# Altium PCB sugar65V2_ARGB_QMK(1).PcbDoc (part 6 of 8)
Units mm, origin at the board's own origin, x right, y up, seen from the top; angles counter-clockwise.
Board outline 416.94 x 174.37 mm, 2 copper layers (Top Layer, Bottom Layer); 304 components, 242 nets, 11102 pads, 1014 vias.
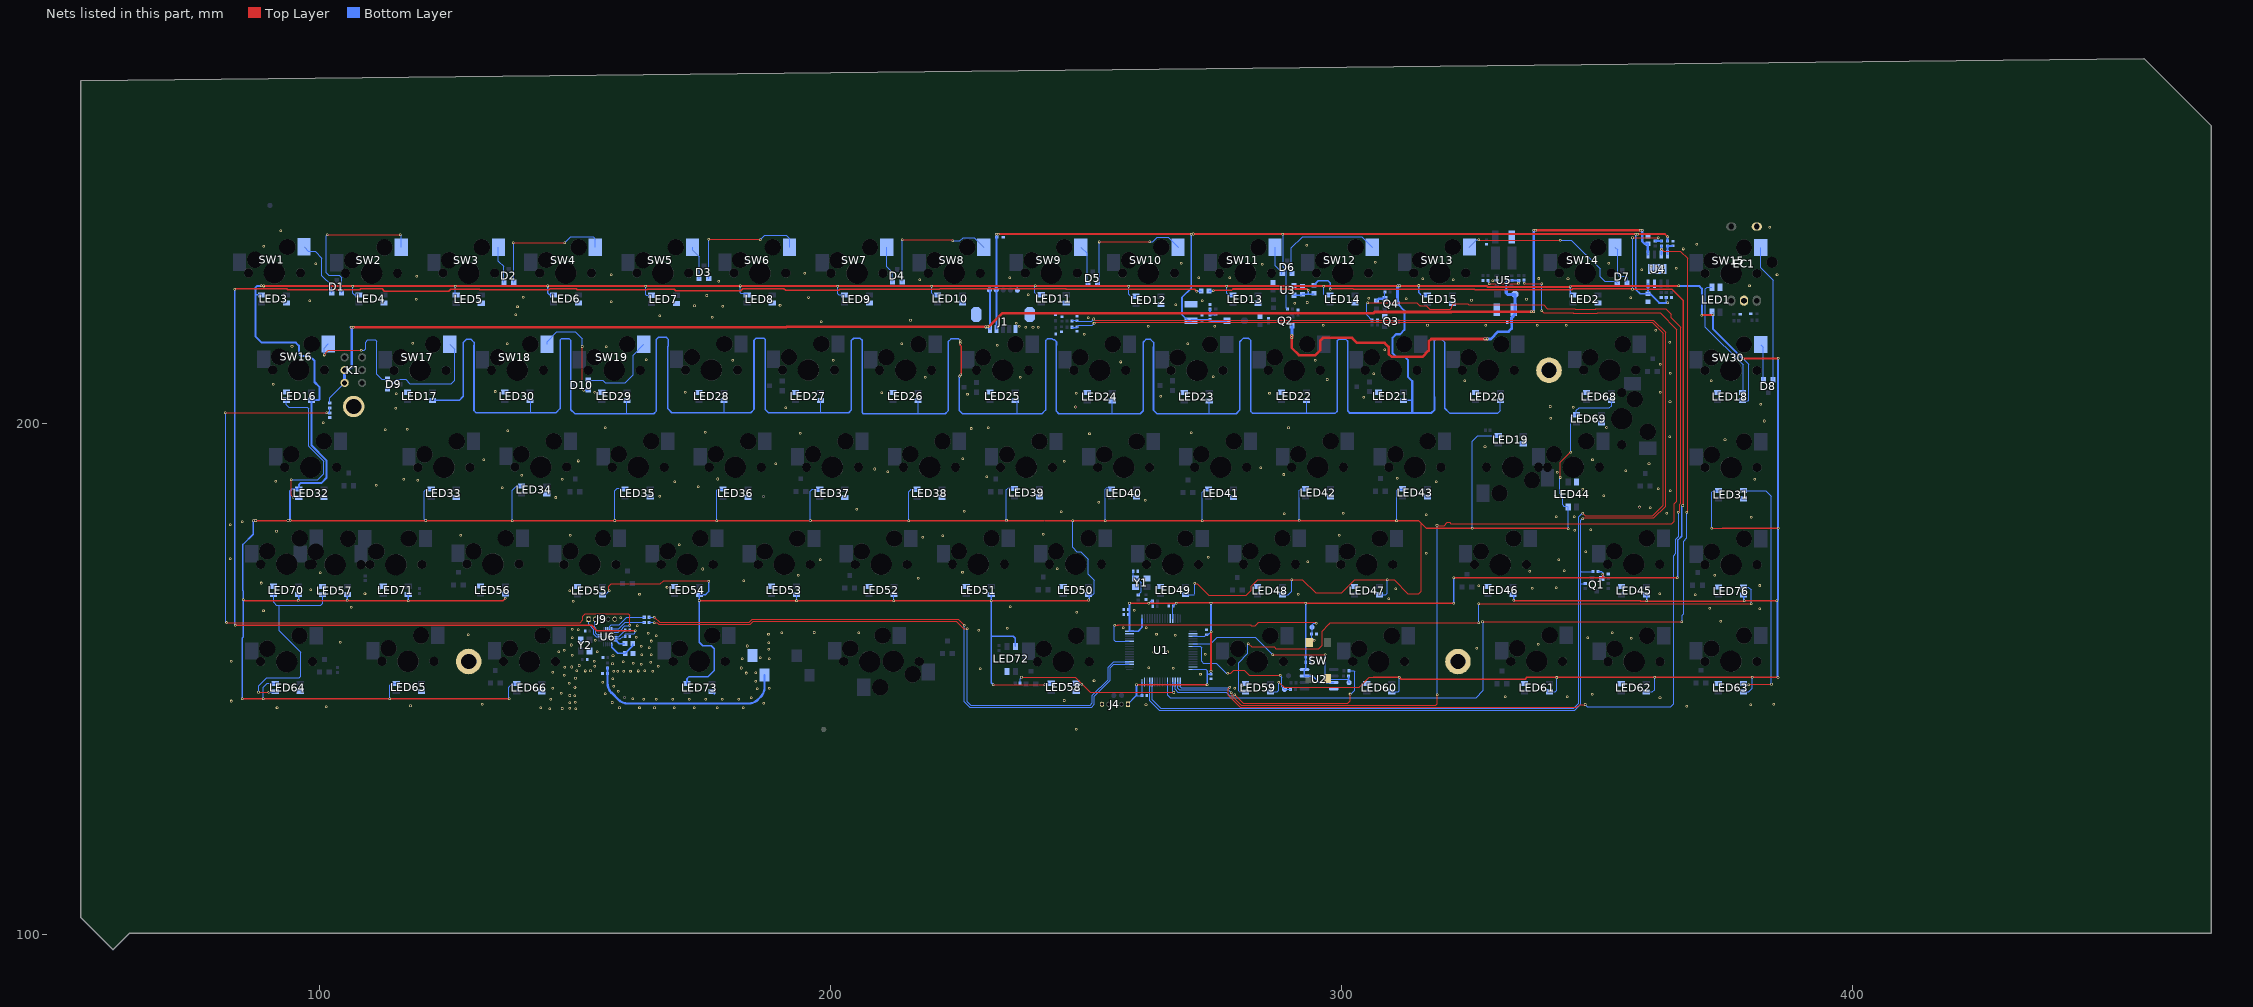
[diagram p6: the nets of this part, all layers, seen from the top]

## Free pads (board coordinates) (continued)
  round 0.13 on Mech4: 1(379.203,233.435) 1(379.203,233.435) 1(379.203,235.405) 1(379.203,235.405) 1(379.433,157.631) 1(379.433,157.631) 1(379.433,159.361) 1(379.433,159.361) 1(379.433,176.555) 1(379.433,176.555) 1(379.433,178.285) 1(379.433,178.285) 1(379.433,195.555) 1(379.433,195.555) 1(379.433,197.285) 1(379.433,197.285) 1(379.433,214.555) 1(379.433,214.555) 1(379.433,216.285) 1(379.433,216.285) 1(379.433,233.555) 1(379.433,233.555) 1(379.433,235.285) 1(379.433,235.285) 1(379.623,157.801) 1(379.623,157.801) 1(379.623,159.191) 1(379.623,159.191) 1(379.623,176.725) 1(379.623,176.725) 1(379.623,178.115) 1(379.623,178.115) 1(379.623,195.725) 1(379.623,195.725) 1(379.623,197.115) 1(379.623,197.115) 1(379.623,214.725) 1(379.623,214.725) 1(379.623,216.115) 1(379.623,216.115) 1(379.623,233.725) 1(379.623,233.725) 1(379.623,235.115) 1(379.623,235.115) 1(379.763,158.011) 1(379.763,158.011) 1(379.763,158.981) 1(379.763,158.981) 1(379.763,176.935) 1(379.763,176.935) 1(379.763,177.905) 1(379.763,177.905) 1(379.763,195.935) 1(379.763,195.935) 1(379.763,196.905) 1(379.763,196.905) 1(379.763,214.935) 1(379.763,214.935) 1(379.763,215.905) 1(379.763,215.905) 1(379.763,233.935) 1(379.763,233.935) 1(379.763,234.905) 1(379.763,234.905) 1(379.853,158.241) 1(379.853,158.241) 1(379.853,158.751) 1(379.853,158.751) 1(379.853,177.165) 1(379.853,177.165) 1(379.853,177.675) 1(379.853,177.675) 1(379.853,196.165) 1(379.853,196.165) 1(379.853,196.675) 1(379.853,196.675) 1(379.853,215.165) 1(379.853,215.165) 1(379.853,215.675) 1(379.853,215.675) 1(379.853,234.165) 1(379.853,234.165) 1(379.853,234.675) 1(379.853,234.675) 1(379.883,158.501) 1(379.883,158.501) 1(379.883,177.425) 1(379.883,177.425) 1(379.883,196.425) 1(379.883,196.425) 1(379.883,215.425) 1(379.883,215.425) 1(379.883,234.425) 1(379.883,234.425)
  round 0.025 on Mech8: 1(91.18,224.344) 1(91.28,224.244) 1(91.28,224.444) 1(91.38,224.344) 1(93.555,148.344) 1(93.555,167.345) 1(93.655,148.244) 1(93.655,148.444) 1(93.655,167.245) 1(93.655,167.445) 1(93.755,148.344) 1(93.755,167.345) 1(95.93,205.344) 1(96.03,205.244) 1(96.03,205.444) 1(96.13,205.344) 1(98.305,186.344) 1(98.405,186.244) 1(98.405,186.444) 1(98.505,186.344) 1(103.055,167.344) 1(103.155,167.244) 1(103.155,167.444) 1(103.255,167.344) 1(110.18,224.344) 1(110.28,224.244) 1(110.28,224.444) 1(110.38,224.344) 1(114.93,167.345) 1(115.03,167.245) 1(115.03,167.445) 1(115.13,167.345) 1(117.305,148.344) 1(117.405,148.244) 1(117.405,148.444) 1(117.505,148.344) 1(119.68,205.344) 1(119.78,205.244) 1(119.78,205.444) 1(119.88,205.344) 1(124.33,186.344) 1(124.43,186.244) 1(124.43,186.444) 1(124.53,186.344) 1(129.18,224.344) 1(129.28,224.244) 1(129.28,224.444) 1(129.38,224.344) 1(133.93,167.42) 1(134.03,167.32) 1(134.03,167.52) 1(134.13,167.42) 1(138.68,205.344) 1(138.78,205.244) 1(138.78,205.444) 1(138.88,205.344) 1(141.055,148.344) 1(141.155,148.244) 1(141.155,148.444) 1(141.255,148.344) 1(143.33,186.344) 1(143.43,186.244) 1(143.43,186.444) 1(143.53,186.344) 1(148.18,224.344) 1(148.28,224.244) 1(148.28,224.444) 1(148.38,224.344) 1(152.93,167.344) 1(153.03,167.244) 1(153.03,167.444) 1(153.13,167.344) 1(157.68,205.344) 1(157.78,205.244) 1(157.78,205.444) 1(157.88,205.344) 1(162.33,186.344) 1(162.43,186.244) 1(162.43,186.444) 1(162.53,186.344) 1(167.18,224.344) 1(167.28,224.244) 1(167.28,224.444) 1(167.38,224.344) 1(171.93,167.344) 1(172.03,167.244) 1(172.03,167.444) 1(172.13,167.344) 1(174.305,148.344) 1(174.405,148.244) 1(174.405,148.444) 1(174.505,148.344) 1(176.68,205.344) 1(176.78,205.244) 1(176.78,205.444) 1(176.88,205.344) 1(181.33,186.344) 1(181.43,186.244) 1(181.43,186.444) 1(181.53,186.344) 1(186.18,224.344) 1(186.28,224.244) 1(186.28,224.444) 1(186.38,224.344) 1(190.93,167.344) 1(191.03,167.244) 1(191.03,167.444) 1(191.13,167.344) 1(195.68,205.344) 1(195.78,205.244) 1(195.78,205.444) 1(195.88,205.344) 1(200.33,186.344) 1(200.43,186.244) 1(200.43,186.444) 1(200.53,186.344) 1(205.18,224.344) 1(205.28,224.244) 1(205.28,224.444) 1(205.38,224.344) 1(207.681,148.344) 1(207.781,148.244) 1(207.781,148.444) 1(207.881,148.344) 1(209.93,167.344) 1(210.03,167.244) 1(210.03,167.444) 1(210.13,167.344) 1(212.305,158.494) 1(212.405,158.394) 1(212.405,158.594) 1(212.505,158.494) 1(214.68,205.344) 1(214.78,205.244) 1(214.78,205.444) 1(214.88,205.344) 1(219.33,186.344) 1(219.43,186.244) 1(219.43,186.444) 1(219.53,186.344) 1(224.18,224.344) 1(224.28,224.244) 1(224.28,224.444) 1(224.38,224.344) 1(228.93,167.344) 1(229.03,167.244) 1(229.03,167.444) 1(229.13,167.344) 1(233.68,205.344) 1(233.78,205.244) 1(233.78,205.444) 1(233.88,205.344) 1(238.33,186.344) 1(238.43,186.244) 1(238.43,186.444) 1(238.53,186.344) 1(243.18,224.344) 1(243.28,224.244) 1(243.28,224.444) 1(243.38,224.344) 1(245.555,148.344) 1(245.655,148.244) 1(245.655,148.444) 1(245.755,148.344) 1(247.93,167.344) 1(248.03,167.244) 1(248.03,167.444) 1(248.13,167.344) 1(252.68,205.344) 1(252.78,205.244) 1(252.78,205.444) 1(252.88,205.344) 1(257.33,186.344) 1(257.43,186.244) 1(257.43,186.444) 1(257.53,186.344) 1(262.18,224.344) 1(262.28,224.244) 1(262.28,224.444) 1(262.38,224.344) 1(266.93,167.344) 1(267.03,167.244) 1(267.03,167.444) 1(267.13,167.344) 1(271.68,205.344) 1(271.78,205.244) 1(271.78,205.444) 1(271.88,205.344) 1(276.33,186.344) 1(276.43,186.244) 1(276.43,186.444) 1(276.53,186.344) 1(281.18,224.344) 1(281.28,224.244) 1(281.28,224.444) 1(281.38,224.344) 1(283.555,148.344) 1(283.655,148.244) 1(283.655,148.444) 1(283.755,148.344) 1(285.93,167.344) 1(286.03,167.244) 1(286.03,167.444) 1(286.13,167.344) 1(290.68,205.344) 1(290.78,205.244) 1(290.78,205.444) 1(290.88,205.344) 1(295.33,186.344) 1(295.43,186.244) 1(295.43,186.444) 1(295.53,186.344) 1(300.18,224.344) 1(300.28,224.244) 1(300.28,224.444) 1(300.38,224.344) 1(304.93,167.344) 1(305.03,167.244) 1(305.03,167.444) 1(305.13,167.344) 1(307.305,148.344) 1(307.405,148.244) 1(307.405,148.444) 1(307.505,148.344) 1(309.68,205.344) 1(309.78,205.244) 1(309.78,205.444) 1(309.88,205.344) 1(314.33,186.344) 1(314.43,186.244) 1(314.43,186.444) 1(314.53,186.344) 1(319.18,224.344) 1(319.28,224.244) 1(319.28,224.444) 1(319.38,224.344) 1(328.68,205.344) 1(328.78,205.244) 1(328.78,205.444) 1(328.88,205.344) 1(331.055,167.344) 1(331.155,167.244) 1(331.155,167.444) 1(331.255,167.344) 1(333.43,196.494) 1(333.53,196.394) 1(333.53,196.594) 1(333.63,196.494) 1(338.18,148.344) 1(338.28,148.244) 1(338.28,148.444) 1(338.38,148.344) 1(345.305,186.344) 1(345.405,186.244) 1(345.405,186.444) 1(345.505,186.344) 1(347.68,224.344) 1(347.78,224.244) 1(347.78,224.444) 1(347.88,224.344) 1(349.73,200.919) 1(349.83,200.819) 1(349.83,201.019) 1(349.93,200.919) 1(352.43,205.344) 1(352.53,205.244) 1(352.53,205.444) 1(352.63,205.344) 1(357.18,148.344) 1(357.18,167.344) 1(357.28,148.244) 1(357.28,148.444) 1(357.28,167.244) 1(357.28,167.444) 1(357.38,148.344) 1(357.38,167.344) 1(376.18,148.344) 1(376.18,167.268) 1(376.18,186.268) 1(376.18,205.268) 1(376.18,224.268) 1(376.28,148.244) 1(376.28,148.444) 1(376.28,167.168) 1(376.28,167.368) 1(376.28,186.168) 1(376.28,186.368) 1(376.28,205.168) 1(376.28,205.368) 1(376.28,224.168) 1(376.28,224.368) 1(376.38,148.344) 1(376.38,167.268) 1(376.38,186.268) 1(376.38,205.268) 1(376.38,224.268)
  round 0.203 on Mech8: 1(104.175,206.81) 1(104.175,206.81) 1(104.175,214.082) 1(104.175,214.082) 1(105.905,207.719) 1(105.905,207.719) 1(105.905,213.219) 1(105.905,213.219) 1(107.505,207.719) 1(107.505,207.719) 1(107.505,213.219) 1(107.505,213.219) 1(109.23,206.81) 1(109.23,206.81) 1(109.23,214.082) 1(109.23,214.082)
  round 1.803 on Mech12: 1(105.005,207.919) 1(105.005,210.419) 1(105.005,212.919) 1(108.405,207.919) 1(108.405,210.419) 1(108.405,212.919) 1(376.125,238.513) 1(376.325,223.813) 1(376.325,224.213) 1(376.525,238.513) 1(378.825,223.813) 1(378.825,224.213) 1(381.125,238.513) 1(381.325,223.813) 1(381.325,224.213) 1(381.525,238.513)
  round 4.2 hole 3: 1(106.78,203.32)
  round 5 hole 3: 1(129.27,153.42) 1(322.85,153.41) 1(340.66,210.4)
  round 5.203 on Mech12: 1(129.28,153.42) 1(322.855,153.42) 1(340.655,210.42)
  round 0.703 on Mech12: 1(160.08,163.837)
  rect 2x2.5 smd far side: 1(187.18,150.77) 2(184.84,154.6) 2(193.49,154.53) 2(195.97,150.75)
  round 0.254 on Mech8: 1(372.975,225.513) 1(372.975,225.513) 1(372.975,227.513) 1(372.975,229.513) 1(372.975,233.513) 1(372.975,235.513) 1(372.975,237.513) 1(372.975,237.513) 1(375.269,227.513) 1(375.269,227.513) 1(375.269,229.513) 1(375.269,229.513) 1(375.269,233.513) 1(375.269,233.513) 1(375.269,235.513) 1(375.269,235.513) 1(382.381,227.513) 1(382.381,227.513) 1(382.381,229.513) 1(382.381,229.513) 1(382.381,233.513) 1(382.381,233.513) 1(382.381,235.513) 1(382.381,235.513) 1(384.675,225.513) 1(384.675,225.513) 1(384.675,227.513) 1(384.675,229.513) 1(384.675,233.513) 1(384.675,235.513) 1(384.675,237.513) 1(384.675,237.513)
  round 0.1 on Mech8: 1(378.317,231.513) 1(379.333,231.513)
  round 1.116 on Mech8: 1(378.825,231.513)

## Via types
v1: diameter 0.5, hole 0.3, Top Layer to Bottom Layer, 1014 vias

## Nets (pads, with @x,y where several pads share a name; then routed paths per layer and width w, separated by ;. In a path a pad name is that pad's centre, name@x,y a point inside that pad or via, vN(x,y) a via of type N, cw(c..) or ccw(c..) an arc to the next point about the centre after c; other vN are vias at no path point)
1_VUSB: 
5V_OUT: C27.2 C28.1 D36.1 Q2.2 R33.1 R34.1 U5.5 | length 79.5
  Top Layer w0.2: v1(328.999,227.34) v1@334.629,227.339
  Top Layer w0.5: v1(290.329,216.77) 290.329,214.801 291.75,213.38 294.94,213.38 295.91,214.35 295.91,216.24 296.43,216.76 302.14,216.76 303.12,215.78 308.48,215.78 309.29,214.97 309.29,213.63 309.9,213.02 315.89,213.02 317.11,214.24 317.11,216.01 317.63,216.53 327.509,216.53 ; v1(328.14,216.53) 327.509,216.53 ; v1(328.6,216.53) 327.509,216.53
  Top Layer w0.6: v1(290.329,216.77) v1(290.329,217.24)
  Bottom Layer w0.2: R33.1@328.73,227.97 328.73,227.609 v1(328.999,227.34)
  Bottom Layer w0.35: 290.329,217.51 290.329,219.071 Q2.2@290.366,219.107 ; 332.3,226.18 332.3,227.82 332.46,227.98 U5.5@333.25,227.98 ; U5.5@333.24,227.97 U5.5@333.25,227.98 ; R34.1@334.72,227.98 U5.5@333.25,227.98 ; v1@334.75,227.46 R34.1@334.75,228.01
  Bottom Layer w0.5: v1(328.14,216.53) 329.29,216.53 330.71,217.95 332.77,217.95 333.36,218.54 C27.2@333.36,219.72
  Bottom Layer w0.6: v1@290.34,217.08 290.366,217.106 Q2.2@290.366,219.107 ; 332.3,226.18 332.3,225.51 332.537,225.273 D36.1@334.009,225.273 334.009,221.36 333.36,220.711 C27.2@333.36,219.72
  other v1: 334.7,227.41
+3V3: C2.1 C4.1 C10.1 C12.1 C13.1 C14.1 C16.1 C21.1 J4.1 Q1.2 R8.2 R9.1 R22.2 R23.2 R24.1 SW.1 U1.1 U1.13 U1.19 U1.32 U1.48 U1.64 U2.3 U2.7 U2.8 | length 343.3
  Top Layer w0.2: v1@296.39,149.3 297.16,150.07 SW.1@297.34,150.07 ; v1(356.999,236.37) v1(362.02,236.37)
  Top Layer w0.3: v1(258.579,164.83) v1(262.369,164.83) v1(267.739,164.83) ; v1(259.95,148.849) 273.749,148.849 v1(273.749,148.89) ; v1@267.739,164.9 v1@293.029,164.9 ; v1(274.529,151.519) v1@274.529,159.209 ; v1@293.1,164.829 317.419,164.829 v1(322.049,164.83) ; v1@297.86,226.32 302.317,226.32 ; 302.347,226.29 326.019,226.29 326.179,226.13 345.098,226.13 345.327,226.36 v1@356.899,226.36 ; v1@322.109,169.78 v1@365.779,169.78 ; 351.21,169.79 v1(351.21,170.49) ; v1(356.999,226.26) 364.75,226.26 366.9,224.11 v1@366.9,184.05
  Bottom Layer w0.2: J4.1@258.28,145.05 J4.1@258.28,145.11 ; 259.92,146.75 C4.1@261.03,146.75 261.03,147.86 U1.48@261.03,149.41 ; U1.13@267.03,161.81 267.03,164.15 C10.1@267.14,164.26 ; U1.32@270.98,151.86 273.46,151.86 273.75,151.57 ; U1.19@271,158.38 U1.19@270.98,158.36 273.33,158.36 C16.1@273.67,158.7 ; v1@357.049,226.299 v1@357.049,236.32 ; 362.02,235.765 v1(362.02,236.37)
  Bottom Layer w0.3: J4.1@258.28,145.11 259.92,146.75 259.95,146.78 v1(259.95,148.849) ; v1@258.58,164.829 U1.64@258.58,159.36 260.28,159.36 261.03,160.11 U1.1@261.03,161.81 ; v1(262.369,164.83) 262.78,165.24 R8.2@263.055,165.24 ; C10.1@267.14,164.26 267.14,164.3 v1@267.705,164.865 ; C16.1@273.67,158.7 274.009,158.7 274.529,159.22 v1(274.529,164.83) ; v1@273.75,148.89 273.75,151.06 ; 273.75,151.57 273.75,151.06 ; v1@274.49,151.48 C12.1@274.49,150.96 273.85,150.96 273.75,151.06 ; U2.7@292.82,150.56 292.82,151.83 293.1,152.11 C14.1@293.1,154.34 v1@293.1,164.83 ; U2.7@292.83,150.56 294.47,150.56 295.74,149.29 U2.3@298.56,149.29 ; R24.1@294.72,227.04 294.72,227.14 295.51,227.93 297.43,227.93 297.83,227.53 v1(297.83,226.29) ; v1(322.049,164.83) v1(322.049,169.84) ; R9.1@350.28,171.02 350.96,171.02 351.21,170.77 ; Q1.2@350.983,169.646 351.23,169.893 v1@351.23,170.49 ; v1@365.9,169.86 365.9,177.2 366.619,177.919 366.619,183.77 v1(366.799,183.95)
  Bottom Layer w0.35: R23.2@361.46,235.705 361.47,235.715 R22.2@362.68,235.715
  other v1: 296.369,149.3 274.54,159.22 293.099,164.83 365.799,169.8
+5V_USB: 5V.1 C1.1 C3.1 C24.1 D32.2 ESD1.2 J1.4 R2.1 R18.2 R21.2 R26.1 U4.4 | length 215.9
  Top Layer w0.2: v1(288.6,237.06) v1@288.809,237.06
  Top Layer w0.35: v1(232.55,237.06) v1(270.649,237.06) v1(288.6,237.06) ; v1@288.809,237.06 290.309,237.06 ; 290.8,237.06 290.309,237.06 ; v1@358.089,237.06 358.329,237.06 ; v1(363.86,236.57) 363.37,237.06 358.329,237.06 ; 290.309,237.06 358.329,237.06
  Bottom Layer w0.2: v1(288.6,237.06) 288.67,236.99 288.67,230.584 289.285,229.969 289.285,222.565 R26.1@289.47,222.38 ; 363.62,224.35 363.62,224.665 R21.2@363.63,224.675 363.63,223.82 v1(363.86,223.59)
  Bottom Layer w0.35: J1.4@232.55,218.51 232.55,236.8 ; v1(232.93,237.06) v1(232.55,237.06) ; C1.1@270.65,220.059 270.051,220.059 268.85,221.26 268.85,224.69 270.649,226.489 270.649,236.42 ; C1.1@270.66,220.259 274.319,220.259 274.515,220.063 D32.2@277.63,220.063 ; v1(271.04,237.07) 270.659,237.07 v1(270.649,237.06) ; v1(357.62,237.04) 358.02,237.04 v1(358.03,237.05) ; v1@357.63,237.04 357.63,226.21 358.48,225.36 C24.1@360.08,225.36 ; U4.4@360.048,227.35 360.048,225.902 360.07,225.88 ; C24.1@360.14,225.42 C24.1@360.08,225.36 ; v1(363.86,223.59) 362.21,223.59 360.65,225.15 360.44,225.36 C24.1@360.08,225.36 ; R18.2@363.86,235.695 v1(363.86,236.57) ; 232.55,236.8 v1(232.55,237.06) ; 232.55,236.8 v1(232.55,237.06) ; 270.649,236.42 v1(270.649,237.06) ; 270.649,236.42 v1(270.649,237.06)
ARGB_EN: R30.1 U1.33 | length 244.5
  Top Layer w0.2: 277.919,147.051 277.919,148.109 v1(278.22,148.41) ; 277.94,147.031 277.94,146.806 280.266,144.48 346.11,144.48 346.64,145.01 v1(347.75,145.01) ; v1(305.19,223.59) 314.822,223.59 315.282,223.13 315.33,223.13 315.42,223.04 316.604,223.04 317.284,222.36 321.326,222.36 321.59,222.624 321.59,222.96 322.054,223.424 324.758,223.424 324.982,223.2 339.6,223.2 340.37,222.43 345.734,222.43 345.774,222.39 349.816,222.39 349.856,222.43 363.524,222.43 364.599,221.355 364.599,220.642 366.45,218.791 366.45,184.4 366.24,184.19 366.24,182.89 v1(365.969,182.62)
  Bottom Layer w0.2: U1.33@268.53,149.41 268.53,148.53 268.73,148.33 v1@278.22,148.33 ; v1(305.19,223.59) 304.99,223.39 304.99,221.26 R30.1@306.03,220.22 305.68,220.57 ; v1(347.75,145.01) 348.15,144.61 364.5,144.61 365.03,145.14 365.03,174.162 365.45,174.582 365.45,177.386 366.02,177.956 366.02,182.569 v1(365.969,182.62)
ARGB_IN: LED58.3 R123.2 U1.36 | length 35.7
  Top Layer w0.2: v1(237.45,150.3) 248.01,150.3 250.95,147.36 v1(267.26,147.36)
  Bottom Layer w0.2: R123.2@237.195,149.18 237.195,150.045 v1(237.45,150.3) v1@237.385,150.235 ; LED58.3@248.17,149.16 248.35,148.98 v1(249.28,148.98) ; U1.36@267.03,149.41 267.03,147.59 v1(267.26,147.36)
BAT_DET: R29.2 R32.1 U6.16 | length 148.4
  Top Layer w0.2: v1(81.61,202.09) v1(101.5,202.09) ; v1(81.9,161.05) 151.1,161.05 151.62,161.57 151.62,162.3 152.08,162.76 160.48,162.76 160.81,162.43 v1(160.81,160.5)
  Bottom Layer w0.2: v1(81.61,202.09) 81.76,201.94 81.76,161.19 v1(81.9,161.05) ; v1(101.5,202.09) R32.1@102.12,202.09 102.11,202.1 R29.2@102.11,203.055 ; U6.16@157.98,159.1 158.51,159.1 159.38,159.97 ; U6.16@157.98,159.14 U6.16@158.15,159.14 ; 159.38,160.004 159.828,160.452 v1@160.762,160.452 ; v1@160.732,160.422 v1@160.762,160.452 ; v1(160.81,160.5) v1@160.762,160.452
BATT: C23.1 J1.5 K1.4 K1.5 R29.1 TP17.1 U4.5 | length 301
  Top Layer w0.5: v1(106.31,218.81) 107.58,218.81 ; v1@106.71,218.81 107.58,218.81 ; 191.45,218.81 190.87,218.81 107.58,218.81 ; 191.52,218.88 230.99,218.88 233.7,221.59 306.34,221.59 306.56,221.81 321.554,221.81 ; 321.594,221.85 v1@337.64,221.85 ; v1@338.08,237.79 v1@358.48,237.79
  Bottom Layer w0.2: R29.1@102.11,204.02 102.11,205.029 K1.4@105.022,207.941
  Bottom Layer w0.35: J1.5@231.3,218.51 TP17.1@231.3,226.21 ; U4.5@359.99,233.47 359.99,233.072 U4.5@360.022,233.039
  Bottom Layer w0.5: K1.5@105.022,210.441 105.761,210.441 106.41,211.09 106.41,218.62 v1@106.272,218.758 ; v1@106.22,218.81 v1@106.7,218.81 ; v1(337.181,221.83) v1(337.64,221.83) ; v1(337.64,237.79) 337.64,222.25 ; v1(358.91,237.81) 358.91,235.63 359.38,235.16 C23.1@359.99,235.16 U4.5@359.99,233.47 ; v1(337.64,221.83) 337.64,222.25 ; v1(337.64,221.83) 337.64,222.25
  Bottom Layer w0.6: K1.4@105.022,207.941 K1.5@105.022,209.702 ; v1(230.47,218.88) J1.5@230.93,218.88
  other v1: 106.71,218.82 230.89,218.88 338.08,237.81 358.48,237.81
BFB: C31.2 L3.1 U6.1 | length 6.2
  Bottom Layer w0.254: U6.1@157.28,156.8 157.28,156.18 158.43,155.03 159.89,155.03 161.4,156.54 L3.1@161.4,156.92
BLE_UART_RX: R39.2 U6.14 | length 8
  Bottom Layer w0.2: U6.14@156.88,159.8 156.88,160.3 157.17,160.59 158.75,160.59 160.22,162.06 R39.2@163.635,162.06
BLE_UART_TX: R40.2 U6.15 | length 6.9
  Bottom Layer w0.2: U6.15@157.28,159.8 158.61,159.8 159.94,161.13 163.575,161.13 R40.2@163.635,161.07
BOOST_EN: R35.1 U1.34 | length 210.5
  Top Layer w0.2: v1@278.639,147.13 278.639,146.672 280.431,144.88 318.5,144.88 318.761,145.141 v1(318.761,146.941) ; v1@318.639,180.08 318.639,180.041 318.65,180.03 320.16,180.03 320.76,180.63 321.267,180.63 321.477,180.42 364.64,180.42 365.13,180.91 365.13,184.276 365.65,184.796 365.65,184.89 365.65,218.37 362.39,221.63 350.188,221.63 350.148,221.59 345.442,221.59 345.402,221.63 339.67,221.63 v1(339.28,222.02) ; v1@335.789,227.371 v1(339.22,227.371)
  Bottom Layer w0.2: U1.34@268.03,149.41 268.03,148.16 268.29,147.9 277.869,147.9 v1(278.469,147.3) ; v1@318.639,180.08 318.759,179.96 v1(318.761,146.941) ; v1@335.79,227.4 R35.1@335.79,228.03 ; v1@339.26,227.331 339.26,222.04 v1(339.28,222.02)
  other v1: 318.75,180.07 335.789,227.4
BOOT0: R1.2 SW.4 TP1.1 U1.60 | length 52.1
  Top Layer w0.2: v1(255.719,160.48) 256.029,160.48 ; 256.4,160.48 256.029,160.48 ; 282.45,160.62 282.249,160.62 ; 283.778,161.04 283.678,160.941 ; SW.4@293.762,157.15 294.23,157.15 v1(294.69,157.61) ; v1@294.89,161.06 294.769,161.06 ; v1(295.1,160.93) 294.97,161.06 294.769,161.06 ; 256.029,160.48 256.17,160.62 282.249,160.62 ; 282.249,160.62 282.41,160.46 283.197,160.46 283.678,160.941 ; 283.678,160.941 283.798,161.06 294.769,161.06
  Bottom Layer w0.2: v1(255.719,160.48) 255.679,160.52 255.59,160.52 255.59,157.57 255.8,157.36 U1.60@258.58,157.36 ; v1(294.69,157.61) 294.215,158.085 R1.2@294.215,158.81 294.297,158.892 294.297,160.617 294.61,160.93 v1(295.1,160.93)
BSW: L3.2 U6.20 | length 2.1
  Bottom Layer w0.254: U6.20@157.98,157.5 158.15,157.5 158.73,156.92 L3.2@159.86,156.92
BT_3V3: C30.2 R20.1 U6.19 | length 340
  Top Layer w0.254: v1(83.59,160.48) 153.32,160.48 154.38,159.42 v1(161.9,159.42) ; v1@83.597,226.223 v1(83.535,226.285) 83.567,226.317 93.696,226.317 93.86,226.153 106.829,226.153 ; 106.834,226.158 107.98,226.158 108.149,226.327 112.373,226.327 112.8,225.9 125.37,225.9 125.747,226.277 131.328,226.277 131.412,226.193 145.029,226.193 145.163,226.327 150.368,226.327 150.492,226.203 164.179,226.203 164.213,226.237 169.518,226.237 169.765,225.99 182.517,225.99 182.88,226.353 190.967,226.353 191.29,226.03 201.65,226.03 201.927,226.307 219.607,226.307 219.611,226.303 221.408,226.303 221.452,226.347 246.153,226.347 246.217,226.283 271.337,226.283 v1(271.72,225.9)
  Bottom Layer w0.18: U6.19@157.98,157.9 158.98,157.9 159.38,158.3 C30.2@159.89,158.3 159.89,158.73 160.05,158.89 161.64,158.89 161.9,159.15 v1(161.9,159.42)
  Bottom Layer w0.254: v1@83.535,160.525 v1(83.535,226.285)
  Bottom Layer w0.3: v1(271.72,225.9) R20.1@272.62,225.9
CHRG: R22.1 U1.38 U4.7 | length 196.6
  Top Layer w0.2: v1(327.649,161.17) 366.59,161.17 v1(366.6,161.16) ; v1(362.68,234.12) 363.11,233.69 366.39,233.69 367.77,232.31 v1@367.77,182.72
  Bottom Layer w0.2: U1.38@266.03,149.41 266.03,146.81 266.52,146.32 277.397,146.32 277.428,146.35 278.076,146.35 326.397,146.35 327.8,147.753 v1@327.8,161.08 ; v1(366.6,161.16) 366.71,161.27 366.71,162.507 367.01,162.807 367.01,177 367.619,177.609 v1(367.619,182.59) v1@367.74,182.469
  Bottom Layer w0.35: U4.7@362.613,233.039 362.68,233.106 v1(362.68,234.12) R22.1@362.68,234.75
CTL_1: R2.2 R3.1 R5.1 | length 2.2
  Bottom Layer w0.35: R2.2@274.34,221.265 R5.1@274.34,222.35 ; R2.2@274.35,221.255 275.265,221.255 R3.1@275.43,221.42
D+: 
D-: 
DCDC_3V3: C19.1 R20.2 R24.2 U3.2 | length 23.7
  Top Layer w0.3: v1@275.03,226.03 278.54,226.03 278.82,226.31 293.35,226.31 v1(293.56,226.1)
  Bottom Layer w0.3: R20.2@274.16,225.9 v1@274.9,225.9 ; C19.1@292.41,225.3 294.57,225.3 R24.2@294.6,225.33 ; 293.56,225.33 v1@293.56,225.94
  Bottom Layer w0.35: U3.2@290.746,225.087 C19.1@292.197,225.087
  other v1: 274.98,225.98
DM: C7.1 R11.2 U1.44 | length 293.9
  Top Layer w0.2: v1@251.675,219.58 251.875,219.78 360.88,219.78 363.01,217.65 363.01,184 360.99,181.98 347.75,181.98 v1(347.31,182.42)
  Bottom Layer w0.2: R11.2@247.315,218.85 C7.1@248.21,218.85 ; R11.2@247.375,218.68 248.36,218.68 C7.1@248.38,218.7 ; C7.1@248.42,218.84 C7.1@248.31,218.95 248.62,219.26 251.32,219.26 v1(251.64,219.58) ; U1.44@263.03,149.41 263.03,145.922 264.652,144.3 345.49,144.3 346.46,145.27 346.46,181.75 347.13,182.42 v1(347.31,182.42)
DP: C6.1 R7.2 R9.2 R10.2 U1.45 | length 297.1
  Top Layer w0.2: 251.826,220.234 361.068,220.234 363.464,217.838 363.464,183.812 361.178,181.526 v1@347.436,181.526
  Bottom Layer w0.2: R10.2@247.335,220.16 C6.1@248.29,220.16 ; C6.1@248.29,220.07 248.37,219.99 251.17,219.99 v1(251.62,220.44) ; U1.45@262.53,149.41 262.53,145.78 264.41,143.9 265.58,143.9 345.665,143.9 346.86,145.095 346.86,181.02 347.21,181.37 v1(347.28,181.37) ; 346.914,168.64 346.959,168.685 R7.2@347.74,168.685 ; 346.914,171.05 346.944,171.02 R9.2@349.315,171.02